# Altium PCB GSM_v2.PcbDoc (part 1 of 2) (continued)
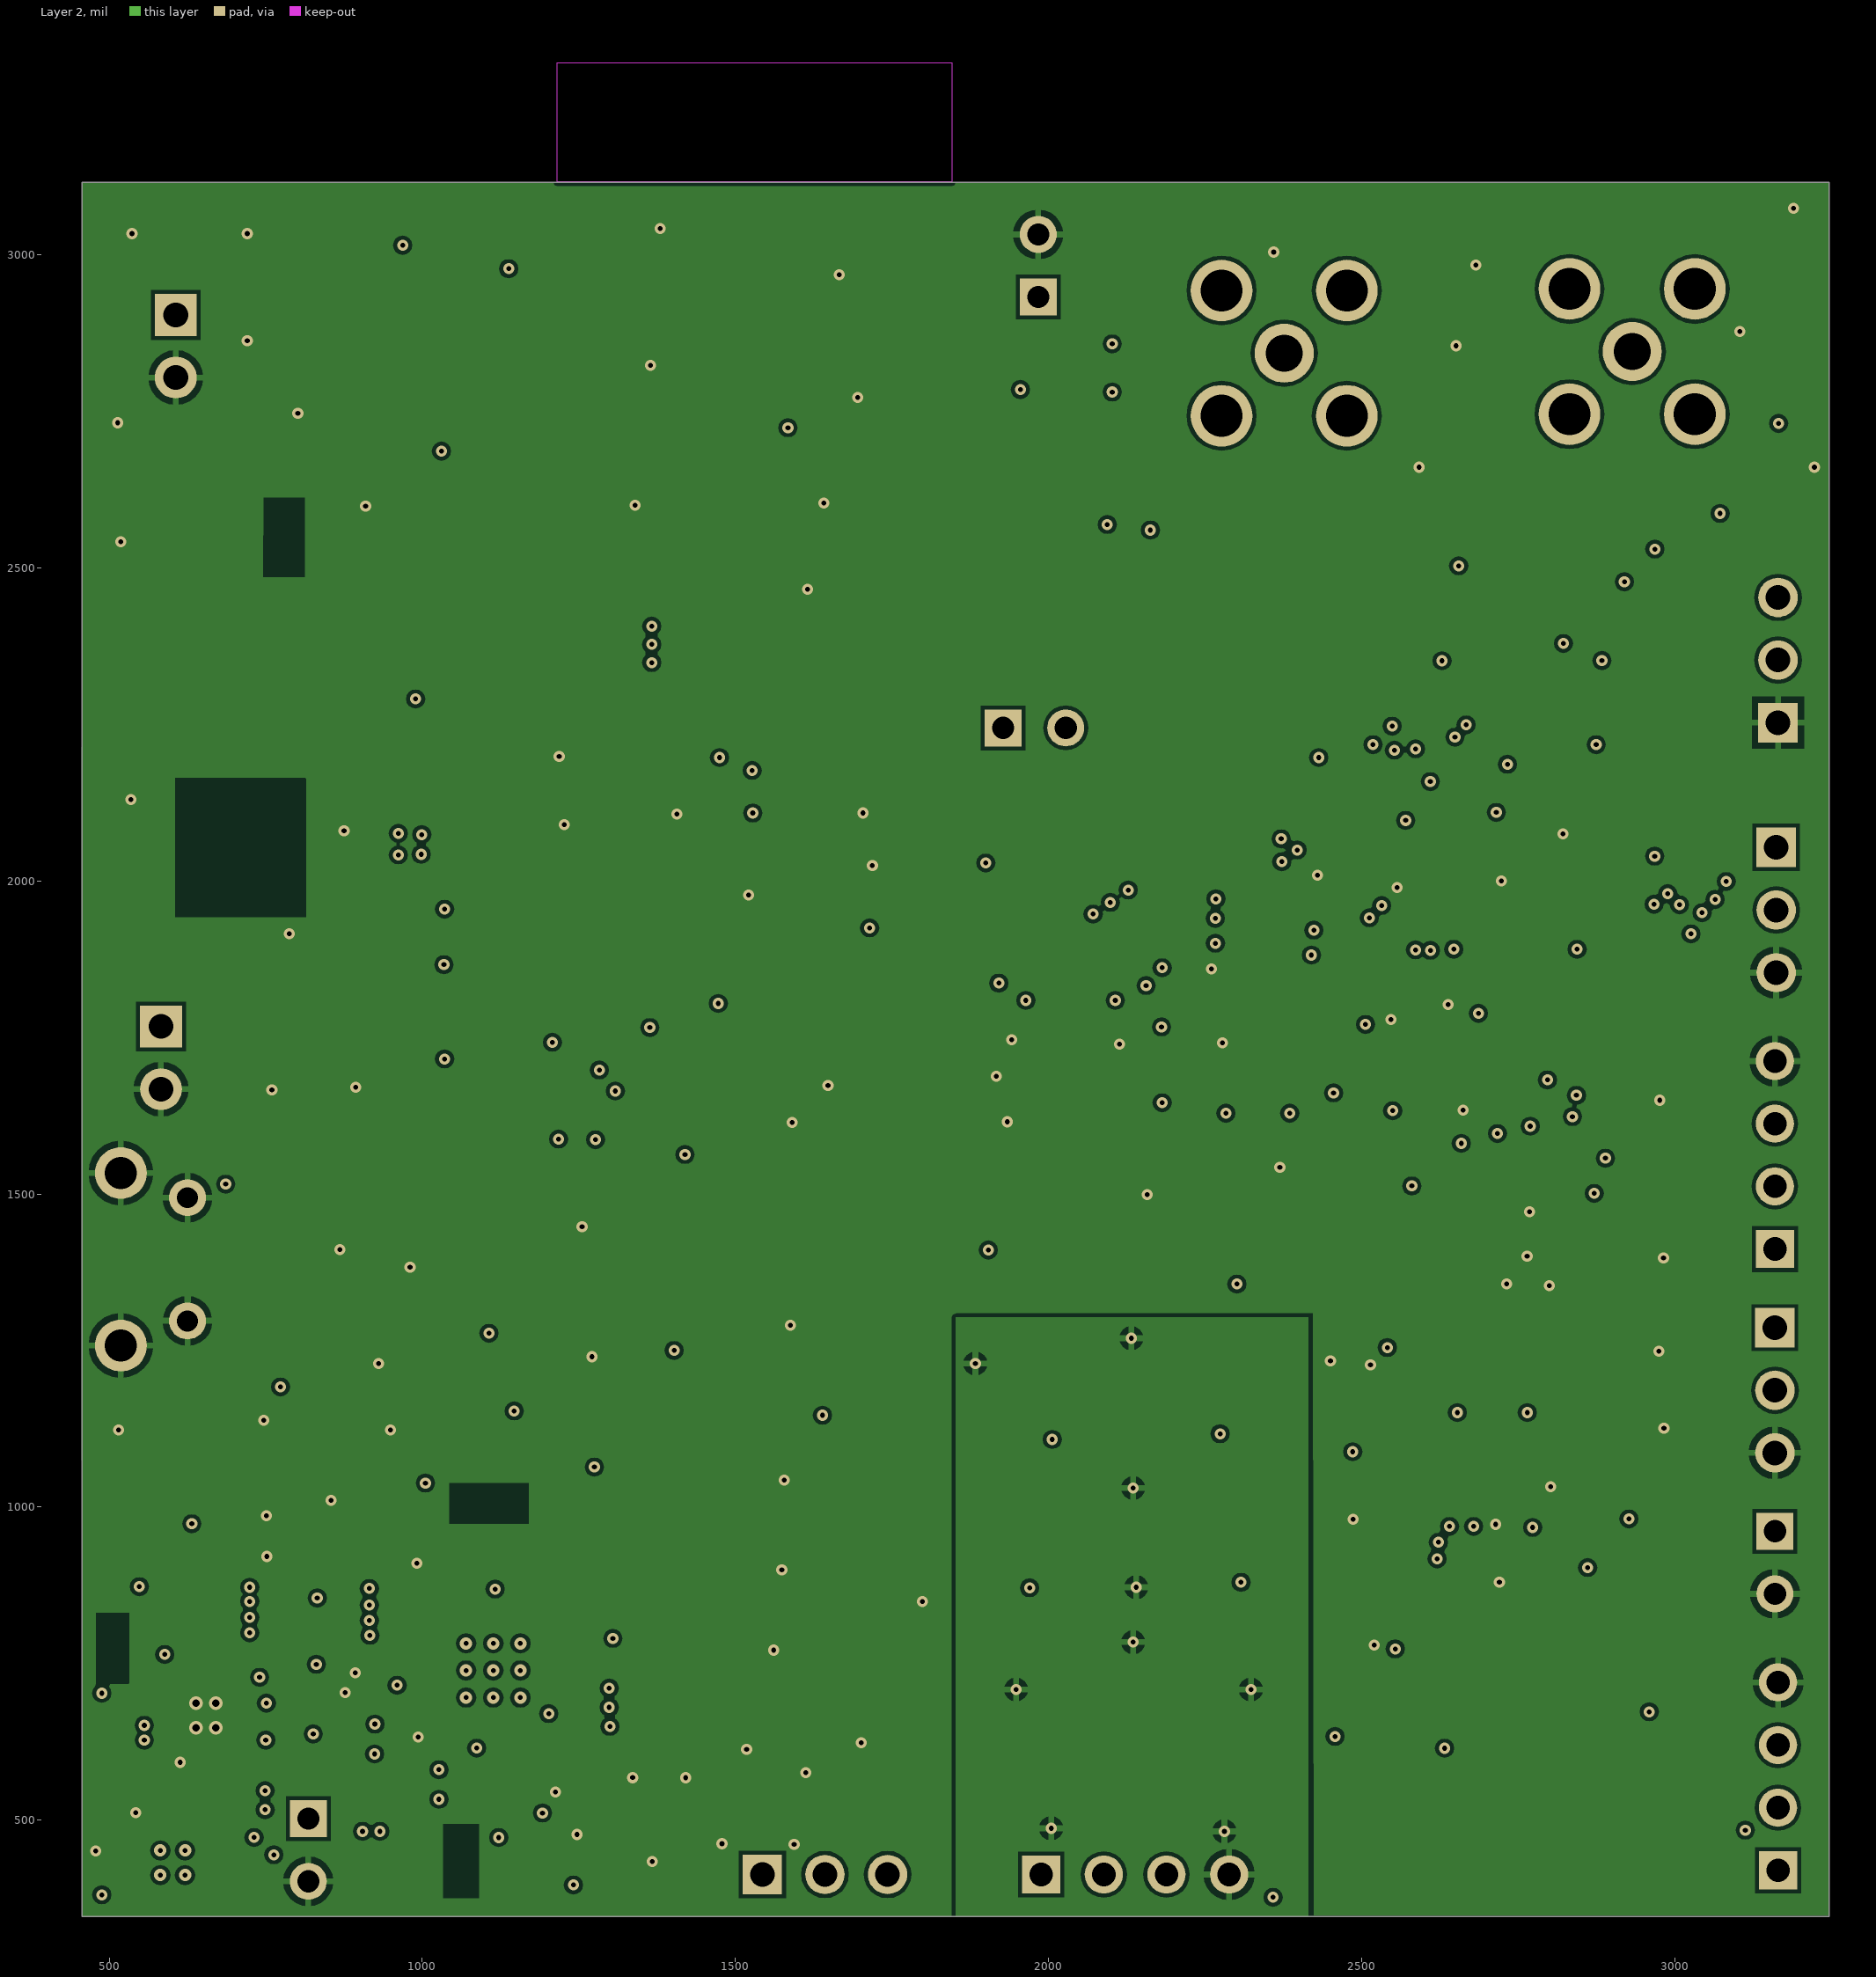
[diagram p3: Layer 2]
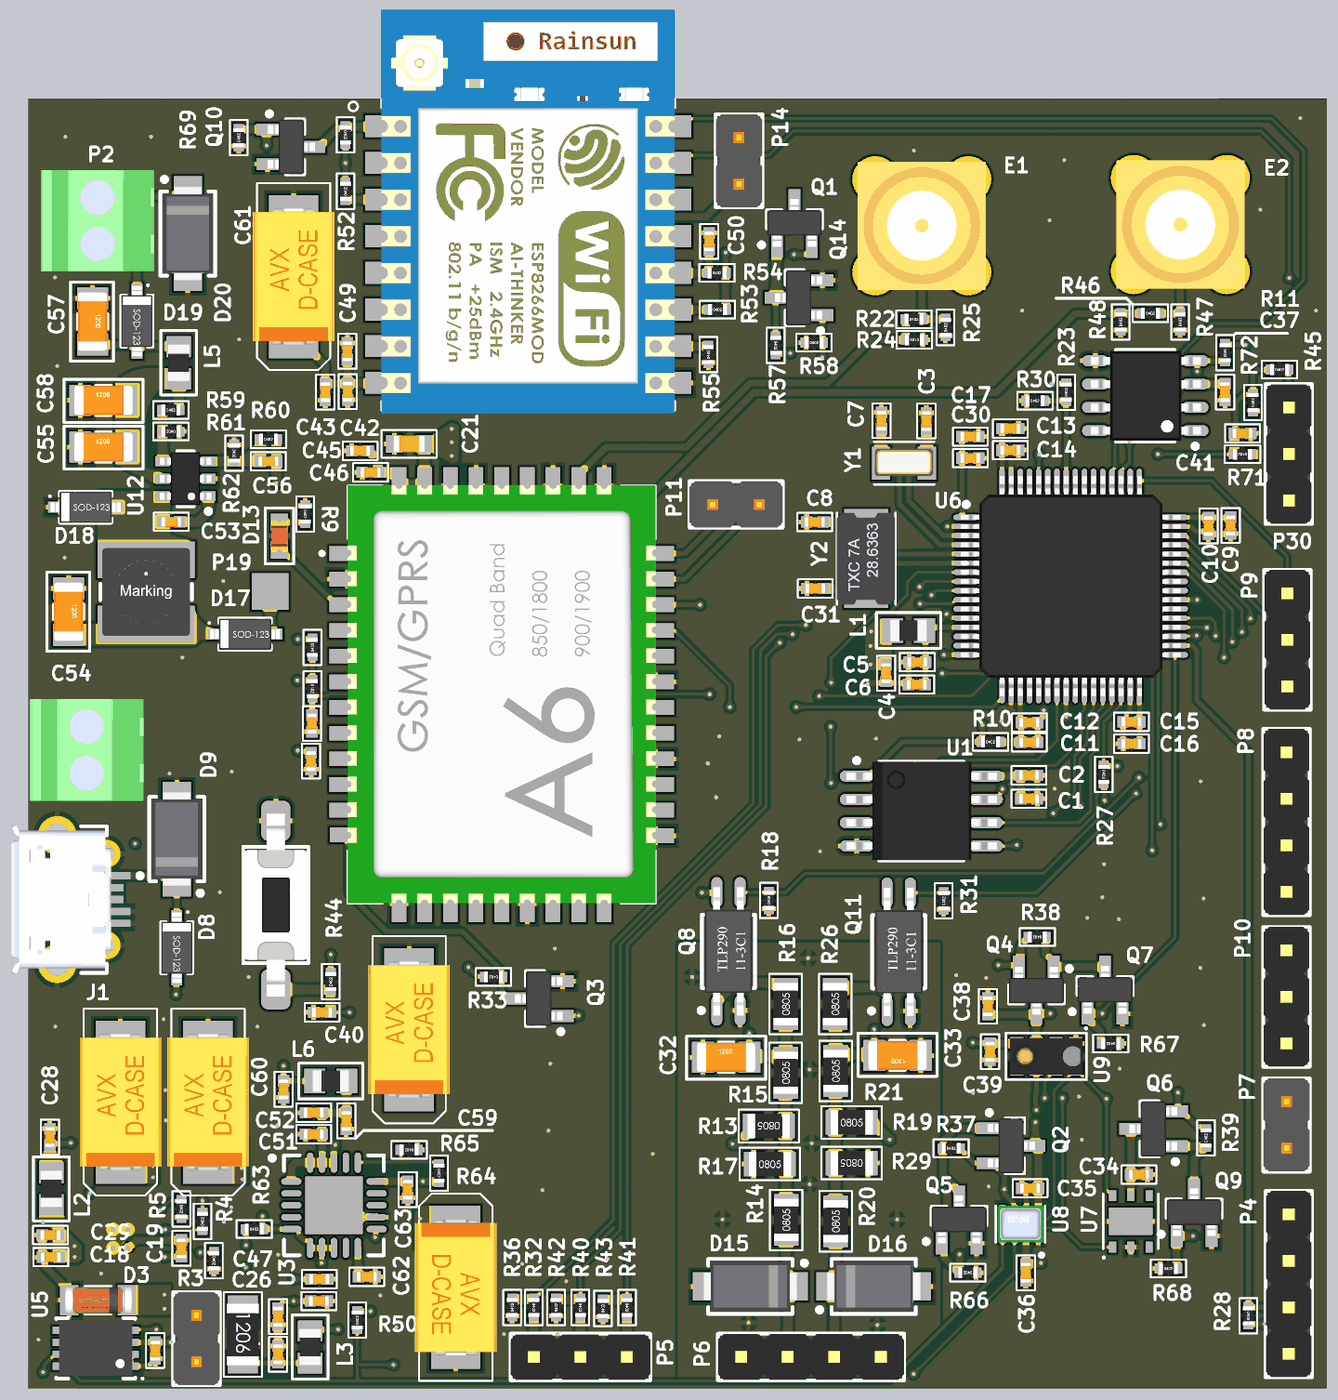
[diagram p5: 3D render of the assembled board from above, using the file's embedded part models]
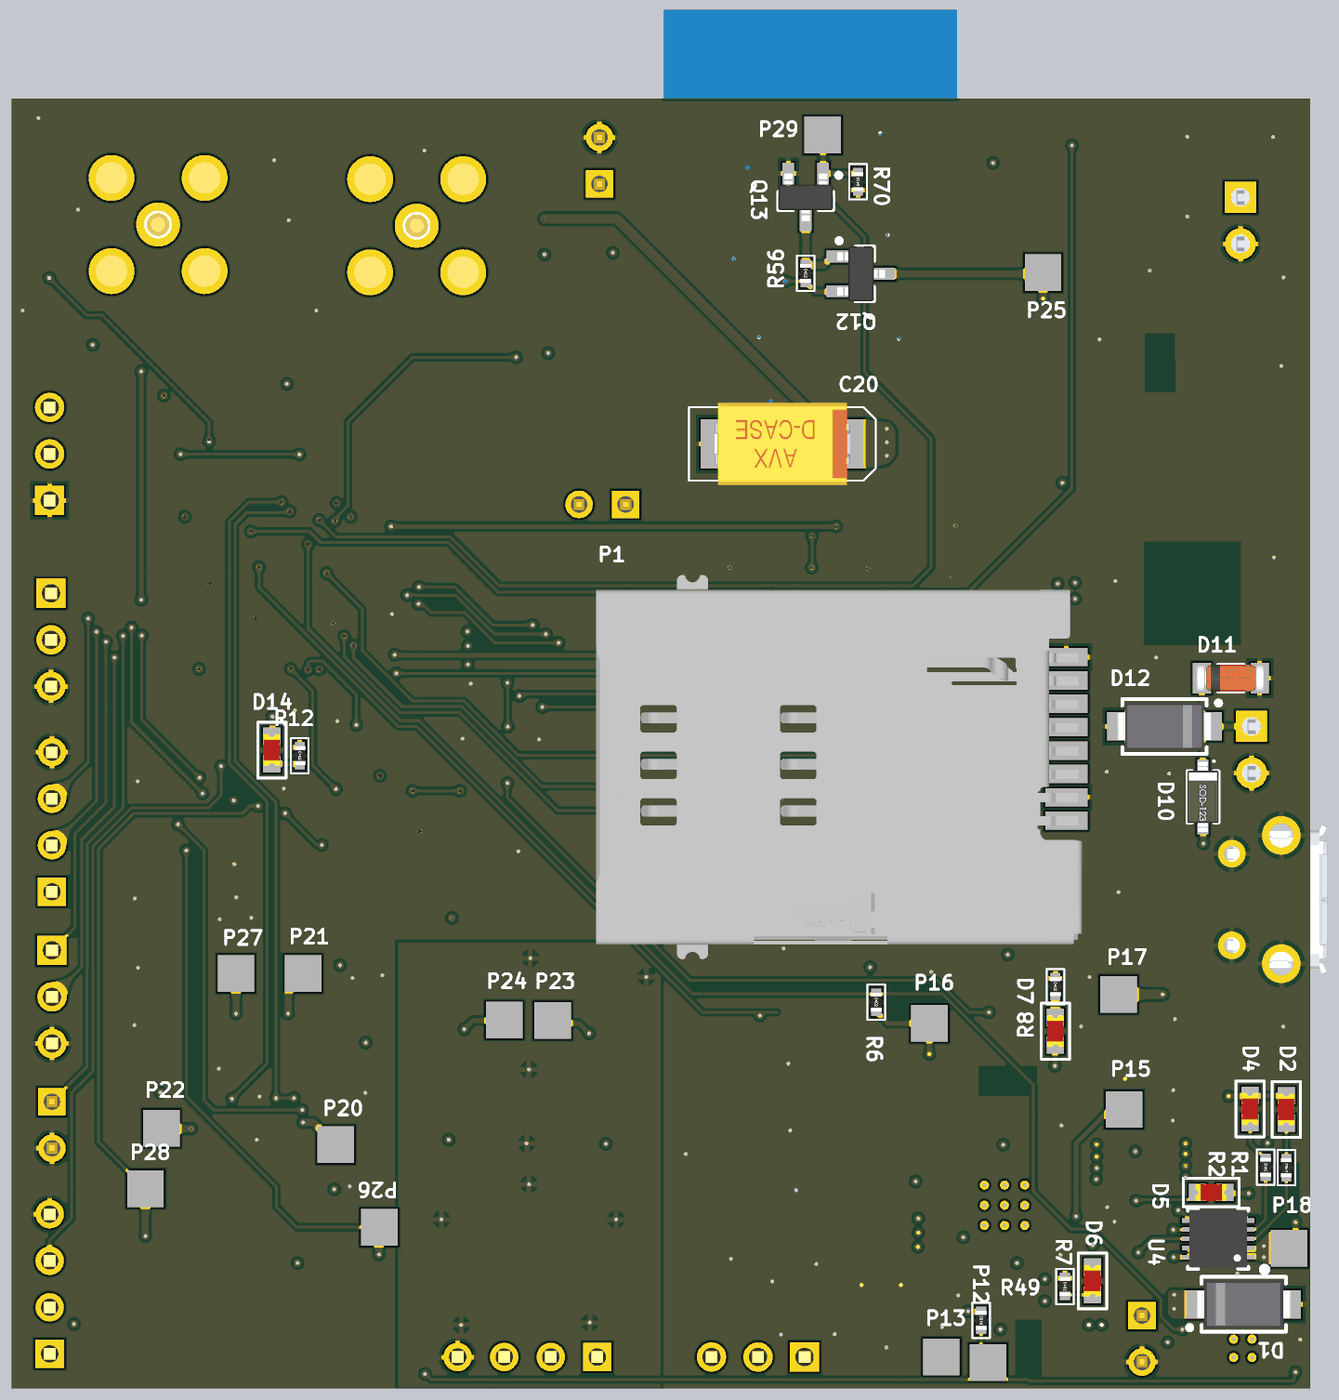
[diagram p6: 3D render of the assembled board from below, using the file's embedded part models]

## Layer stack, top to bottom
Top Solder: solder mask 0.4, Solder Resist, Dk 3.5
Top Layer: signal copper 1.3778
Dielectric 2: prepreg 7.874, PP-006, Dk 4.1
Layer 1: signal copper 0.6693
Dielectric 1: core 41.9291, Core-009, Dk 4.5
Layer 2: signal copper 0.6693
Dielectric 3: prepreg 7.874, PP-006, Dk 4.1
Bottom Layer: signal copper 1.3778
Bottom Solder: solder mask 0.4, Solder Resist, Dk 3.5

## Board outline
456.69,346.46 3246.06,346.46 3246.06,3115.16 456.69,3115.16

## Design rules (kind name [scope] priority, off if disabled: settings)
Clearance "Stitching GND" [IsStitchingVia and InNet('GND') vs (IsVia and (Not IsStitchingVia)) Or IsPad] p1: gap=10 ignorepadtopadclearanceinfootprint=FALSE
Clearance [All] p2: gap=6 ignorepadtopadclearanceinfootprint=TRUE except(5.98: Arc-Hole Track-Hole SMDPad-Hole THPad-Hole Via-Hole Fill-Hole Poly-Hole Region-Hole Text-Hole)
DiffPairsRouting [All] p1: maxlimit=25 minlimit=10 mostfreqgap=10 toplayer_minwidth=6 toplayer_maxwidth=25 toplayer_prefwidth=10 midlayer1_minwidth=6 midlayer1_maxwidth=25 midlayer1_prefwidth=10 midlayer2_minwidth=6 midlayer2_maxwidth=25 midlayer2_prefwidth=10 bottomlayer_minwidth=6 bottomlayer_maxwidth=25 bottomlayer_prefwidth=10 maxuncoupledlength=500
PlaneConnect PlaneConnect_2 [InNet('VCC')] p2: planeconnectstyle=Direct reliefexpansion=20 reliefentries=4 reliefconductorwidth=10 reliefairgap=10
PolygonConnect [InNet('VCC') vs InNet('VCC')] p1: connectstyle=Direct reliefconductorwidth=10 reliefentries=4 polygonreliefangle="90 Angle" airgapwidth=10
PolygonConnect PolygonConnect_2 [InNet('GND') vs InNet('GND')] p2: thpad.connectstyle=Relief thpad.reliefconductorwidth=10 thpad.reliefentries=4 thpad.polygonreliefangle="90 Angle" thpad.airgapwidth=10 smdpad.connectstyle=Relief smdpad.reliefconductorwidth=10 smdpad.reliefentries=4 smdpad.polygonreliefangle="90 Angle" smdpad.airgapwidth=10 via.connectstyle=Direct via.reliefconductorwidth=10 via.reliefentries=4 via.polygonreliefangle="90 Angle" via.airgapwidth=10
PolygonConnect PolygonConnect_1 [All] p3: connectstyle=Relief reliefconductorwidth=10 reliefentries=4 polygonreliefangle="90 Angle" airgapwidth=10
RoutingVias [All] p1: holewidth=7.87 width=17.72 viastyle="Through Hole" minholewidth=7.87 minwidth=17.72 maxholewidth=39.37 maxwidth=50
ShortCircuit ShortCircuit_1 [All] p1: allowed=FALSE
SilkToSilkClearance [All] p1: silktosilkclearance=6
SolderMaskExpansion [All] p1: expansion=4
Width Width_1 [InNet('NetR46_1')] p1: maxlimit=14.26 minlimit=10.43 preferedwidth=14.26 toplayer_minwidth=14.26 midlayer1_maxwidth=10.43 midlayer1_prefwidth=10.43 midlayer2_maxwidth=10.43 midlayer2_prefwidth=10.43 bottomlayer_minwidth=14.26 substack1={47759A5D-0C92-467B-B690-7833AADDB4E4} toplayer_{47759a5d-0c92-467b-b690-7833aaddb4e4}_minwidth=14.26 midlayer1_{47759a5d-0c92-467b-b690-7833aaddb4e4}_maxwidth=10.43 midlayer1_{47759a5d-0c92-467b-b690-7833aaddb4e4}_prefwidth=10.43 midlayer2_{47759a5d-0c92-467b-b690-7833aaddb4e4}_maxwidth=10.43 midlayer2_{47759a5d-0c92-467b-b690-7833aaddb4e4}_prefwidth=10.43 bottomlayer_{47759a5d-0c92-467b-b690-7833aaddb4e4}_minwidth=14.26 substack2={7051C380-BEE9-4C02-9A6C-D67020FA388B} toplayer_{7051c380-bee9-4c02-9a6c-d67020fa388b}_minwidth=14.26 midlayer1_{7051c380-bee9-4c02-9a6c-d67020fa388b}_maxwidth=10.43 midlayer1_{7051c380-bee9-4c02-9a6c-d67020fa388b}_prefwidth=10.43 midlayer2_{7051c380-bee9-4c02-9a6c-d67020fa388b}_maxwidth=10.43 midlayer2_{7051c380-bee9-4c02-9a6c-d67020fa388b}_prefwidth=10.43 bottomlayer_{7051c380-bee9-4c02-9a6c-d67020fa388b}_minwidth=14.26 impedanceprofiledriven=TRUE impedanceprofileid={8509A7D3-C0DB-48D2-A52B-57F0E2BC5C61} impedanceprofilevalue=50.000000 minimp=50.000000 maximp=50.000000 favimp=50.000000
Width Width_2 [InNet('NetR22_1')] p2: maxlimit=14.26 minlimit=10.43 preferedwidth=14.26 toplayer_minwidth=14.26 midlayer1_maxwidth=10.43 midlayer1_prefwidth=10.43 midlayer2_maxwidth=10.43 midlayer2_prefwidth=10.43 bottomlayer_minwidth=14.26 substack1={47759A5D-0C92-467B-B690-7833AADDB4E4} toplayer_{47759a5d-0c92-467b-b690-7833aaddb4e4}_minwidth=14.26 midlayer1_{47759a5d-0c92-467b-b690-7833aaddb4e4}_maxwidth=10.43 midlayer1_{47759a5d-0c92-467b-b690-7833aaddb4e4}_prefwidth=10.43 midlayer2_{47759a5d-0c92-467b-b690-7833aaddb4e4}_maxwidth=10.43 midlayer2_{47759a5d-0c92-467b-b690-7833aaddb4e4}_prefwidth=10.43 bottomlayer_{47759a5d-0c92-467b-b690-7833aaddb4e4}_minwidth=14.26 substack2={7051C380-BEE9-4C02-9A6C-D67020FA388B} toplayer_{7051c380-bee9-4c02-9a6c-d67020fa388b}_minwidth=14.26 midlayer1_{7051c380-bee9-4c02-9a6c-d67020fa388b}_maxwidth=10.43 midlayer1_{7051c380-bee9-4c02-9a6c-d67020fa388b}_prefwidth=10.43 midlayer2_{7051c380-bee9-4c02-9a6c-d67020fa388b}_maxwidth=10.43 midlayer2_{7051c380-bee9-4c02-9a6c-d67020fa388b}_prefwidth=10.43 bottomlayer_{7051c380-bee9-4c02-9a6c-d67020fa388b}_minwidth=14.26 impedanceprofiledriven=TRUE impedanceprofileid={8509A7D3-C0DB-48D2-A52B-57F0E2BC5C61} impedanceprofilevalue=50.000000 minimp=50.000000 maximp=50.000000 favimp=50.000000
Width [All] p3: maxlimit=20 minlimit=6 preferedwidth=6 substack1={47759A5D-0C92-467B-B690-7833AADDB4E4} toplayer_{47759a5d-0c92-467b-b690-7833aaddb4e4}_minwidth=14.26 toplayer_{47759a5d-0c92-467b-b690-7833aaddb4e4}_maxwidth=14.26 toplayer_{47759a5d-0c92-467b-b690-7833aaddb4e4}_prefwidth=14.26 midlayer1_{47759a5d-0c92-467b-b690-7833aaddb4e4}_minwidth=10.43 midlayer1_{47759a5d-0c92-467b-b690-7833aaddb4e4}_maxwidth=10.43 midlayer1_{47759a5d-0c92-467b-b690-7833aaddb4e4}_prefwidth=10.43 midlayer2_{47759a5d-0c92-467b-b690-7833aaddb4e4}_minwidth=10.43 midlayer2_{47759a5d-0c92-467b-b690-7833aaddb4e4}_maxwidth=10.43 midlayer2_{47759a5d-0c92-467b-b690-7833aaddb4e4}_prefwidth=10.43 bottomlayer_{47759a5d-0c92-467b-b690-7833aaddb4e4}_minwidth=14.26 bottomlayer_{47759a5d-0c92-467b-b690-7833aaddb4e4}_maxwidth=14.26 bottomlayer_{47759a5d-0c92-467b-b690-7833aaddb4e4}_prefwidth=14.26 substack2={7051C380-BEE9-4C02-9A6C-D67020FA388B} toplayer_{7051c380-bee9-4c02-9a6c-d67020fa388b}_minwidth=14.26 toplayer_{7051c380-bee9-4c02-9a6c-d67020fa388b}_maxwidth=14.26 toplayer_{7051c380-bee9-4c02-9a6c-d67020fa388b}_prefwidth=14.26 midlayer1_{7051c380-bee9-4c02-9a6c-d67020fa388b}_minwidth=10.43 midlayer1_{7051c380-bee9-4c02-9a6c-d67020fa388b}_maxwidth=10.43 midlayer1_{7051c380-bee9-4c02-9a6c-d67020fa388b}_prefwidth=10.43 midlayer2_{7051c380-bee9-4c02-9a6c-d67020fa388b}_minwidth=10.43 midlayer2_{7051c380-bee9-4c02-9a6c-d67020fa388b}_maxwidth=10.43 midlayer2_{7051c380-bee9-4c02-9a6c-d67020fa388b}_prefwidth=10.43 bottomlayer_{7051c380-bee9-4c02-9a6c-d67020fa388b}_minwidth=14.26 bottomlayer_{7051c380-bee9-4c02-9a6c-d67020fa388b}_maxwidth=14.26 bottomlayer_{7051c380-bee9-4c02-9a6c-d67020fa388b}_prefwidth=14.26 minimp=50.000000 maximp=50.000000 favimp=50.000000
27 further rules are at their usual default settings.

## Classes and differential pairs
component class wifi: C42 C43 C49 C50 C61 P14 P25 P29 Q10 Q12 Q13 R51 R52 R53 R54 R55 R56 R69 R70 U11
component class GSM: C20 C21 C44 C45 C46 C48 D13 E1 E2 P1 P11 Q1 Q3 Q14 R9 R22 R23 R24 R25 R30 R33 R34 R35 R46 R47 R48 R57 R58 U2
component class sensors: C1 C2 C34 C35 C36 C37 C38 C39 P20 P21 P22 P26 P27 P28 Q2 Q4 Q5 Q6 Q7 Q9 R10 R11 R37 R38 R39 R66 R67 R68 U1 U7 U8 U9 U10
component class mcu: C3 C4 C5 C6 C7 C8 C9 C10 C11 C12 C13 C14 C15 C16 C17 C30 C31 C32 C33 C40 C41 D14 D15 D16 L1 P4 P5 P6 P7 P8 P9 P10 P23 P24 P30 Q8 Q11 R12 R13 R14 R15 R16 R17 R18 R19 R20 R21 R26 R27 R28 R29 R31 R32 R36 R40 R41 R42 R43 R44 R45 R71 R72 S1 U6 Y1 Y2
component class power: BAT1 C18 C19 C22 C23 C24 C25 C26 C27 C28 C29 C47 C51 C52 C53 C54 C55 C56 C57 C58 C59 C60 C62 C63 C64 C65 D1 D2 D3 D4 D5 D6 D7 D8 D9 D10 D11 D12 D17 D18 D19 D20 F1 J1 L2 L3 L4 L5 L6 P2 P3 P12 P13 P15 P16 P17 P18 P19 R1 R2 R3 R4 R5 R6 R7 R8 R49 R50 R59 R60 R61 R62 R63 R64 R65 U3 U4 U5 U12
differential pair Y2: +Y2_P -Y2_N
differential pair Y1: +Y1_P -Y1_N

## Components (designator, comment, footprint, x,y, rotation, side; value= is the part's Value field where it differs from the comment)
BAT1 "Header 2" HDR1X2 817.91,502.56 r270 top
C1 "Cap 100nF" C0402 2606.3,1612.2 r180 top value=100nF
C2 "Cap 1uF" C0402 2606.3,1662.4 r180 top value=1uF
C3 "Cap 4.3pF" C0402 2385.78,2422.96 r90 top value=4.3pF
C4 "Cap 10uF" C0402 2299.21,1881.89 r90 top value=10uF
C5 "Cap 1uF" C0402 2366.3,1905.51 r0 top value=1uF
C6 "Cap 100nF" C0402 2365.16,1857.28 r180 top value=100nF
C7 "Cap 4.3pF" C0402 2289.32,2423.95 r90 top value=4.3pF
C8 "Cap 10pF" C0402 2146.18,2206.34 r180 top value=10pF
C9 "Cap 1uF" C0402 3039.37,2198.82 r90 top value=1uF
C10 "Cap 100nF" C0402 2992.13,2197.83 r270 top value=100nF
C11 "Cap 1uF" C0402 2607.28,1733.27 r180 top value=1uF
C12 "Cap 100nF" C0402 2607.28,1775.59 r0 top value=100nF
C13 "Cap 1uF" C0402 2566.22,2406.85 r180 top value=1uF
C14 "Cap 100nF" C0402 2566.18,2360.59 r0 top value=100nF
C15 "Cap 1uF" C0402 2826.5,1777.36 r0 top value=1uF
C16 "Cap 100nF" C0402 2826.5,1730.12 r180 top value=100nF
C17 "Cap 1uF" C0402 2480.32,2389.76 r180 top value=1uF
C18 "Cap 1uF" C0402 504.92,627.95 r0 top value=1uF
C19 "Cap 1uF" C0402 785.43,646.65 r270 top value=1uF
C20 "Tantalum 220uF" CAP-D 1590.55,2374.02 r180 bottom value=220uF
C21 "Cap 10uF" C0603 1274.61,2374.02 r0 top value=10uF
C22 "Cap 4.7uF" C0402 993.11,419.29 r270 top value=4.7uF
C23 "Cap 4.7uF" C0402 993.11,500 r90 top value=4.7uF
C24 "Tantalum 220uF" CAP-D 1375,562.99 r90 top value=220uF
C25 "Tantalum 220uF" CAP-D 1274.61,1116.14 r270 top value=220uF
C26 "Cap 1uF" C0402 1080.71,533.46 r180 top value=1uF
C27 "Cap 1uF" C0402 729.33,427.17 r90 top value=1uF
C28 "Cap 4.7uF" C0402 502.95,885.83 r270 top value=4.7uF
C29 "Cap 4.7uF" C0402 503.94,675.2 r0 top value=4.7uF
C30 "Cap 100nF" C0402 2480.32,2343.5 r0 top value=100nF
C31 "Cap 10pF" C0402 2147.17,2063.62 r180 top value=10pF
C32 "Cap 100nF/50V" C1206 1955.71,1057.09 r0 top value=100nF/50V
C33 "Cap 100nF/50V" C1206 2323.82,1061.02 r180 top value=100nF/50V
C34 "Cap 100nF" C0402 2842.8,805.01 r180 top value=100nF
C35 "Cap 100nF" C0402 2608.64,775.59 r0 top value=100nF
C36 "Cap 100nF" C0402 2599.41,594.49 r90 top value=100nF
C37 "Cap 100nF" C0402 3027.56,2485.24 r90 top value=100nF
C38 "Cap 100nF" C0402 2518.03,1166.4 r270 top value=100nF
C39 "Cap 2.2uF" C0402 2522.64,1068.9 r90 top value=2.2uF
C40 "Cap 100nF" C0402 1087.6,1153.54 r0 top value=100nF
C41 "Cap 100nF" C0402 3064.96,2396.73 r180 top value=100nF
C42 "Cap 10uF" C0402 1142.78,2486.17 r90 top value=10uF
C43 "Cap 1uF" C0402 1094.55,2485.19 r90 top value=1uF
C44 "Cap 100nF" C0402 1063.98,1692.91 r90 top value=100nF
C45 "Cap 100nF" C0402 1169.29,2359.25 r0 top value=100nF
C46 "Cap 1uF" C0402 1191.93,2312.99 r0 top value=1uF
C47 "Cap 1uF" C0402 1081.69,580.71 r180 top value=1uF
C48 "Cap 100nF" C0402 1065.94,1773.62 r90 top value=100nF
C49 "Cap 100nF" C0402 1141.79,2572.79 r270 top value=100nF
C50 "Cap 100nF" C0402 1919.35,2809.06 r270 top value=100nF
C51 "Cap 1uF" C0402 1069.88,891.73 r0 top value=1uF
C52 "Cap 1uF" C0402 1069.88,937.99 r0 top value=1uF
C53 "Cap 100nF" C0402 763.78,2206.69 r180 top value=100nF
C54 "Cap 10uF/50V" C1206 543.31,2013.78 r270 top value=10uF/50V
C55 "Cap 4.7uF/50V" C1206 618.11,2367.13 r0 top value=4.7uF/50V
C56 "Cap 33pF" C0402 972.44,2336.61 r0 top value=33pF
C57 "Cap 4.7uF/50V" C1206 594.49,2636.81 r270 top value=4.7uF/50V
C58 "Cap 4.7uF/50V" C1206 618.11,2467.52 r0 top value=4.7uF/50V
C59 "Cap 4.7uF" C0402 1139.76,920.28 r90 top value=4.7uF
C60 "Cap 4.7uF" C0402 1004.92,988.19 r90 top value=4.7uF
C61 "Tantalum 220uF" CAP-D 1026.57,2733.27 r270 top value=220uF
C62 "Cap 1uF" C0402 1184.06,585.63 r180 top value=1uF
C63 "Cap 470pF" C0402 1271.65,772.64 r90 top value=470pF
C64 "Tantalum 220uF" CAP-D 654.53,960.63 r270 top value=220uF
C65 "Tantalum 220uF" CAP-D 842.52,960.63 r270 top value=220uF
D1 "TVS Bidirectional" SMA 599.41,526.57 r0 bottom
D2 "LED" 0603LedRed 507.87,944.88 r270 bottom
D3 "Zener Diode" miniMELF 606.3,535.43 r0 top
D4 "LED" 0603LedRed 585.63,945.87 r270 bottom
D5 "LED" 0603LedRed 669.29,766.73 r0 bottom
D6 "LED" 0603LedRed 924.21,576.77 r270 bottom
D7 "LED" 0603LedRed 1003.94,1112.99 r90 bottom
D8 "STPS1L30U" SOD-123A 775.59,1292.32 r270 top
D9 "TVS Bidirectional" SMA 775.59,1525.59 r270 top
D10 "STPS1L30U" SOD-123A 687.01,1616.14 r270 bottom
D11 "Zener Diode" miniMELF 626.97,1871.06 r0 bottom
D12 "TVS Bidirectional" SMA 769.68,1767.32 r180 bottom
D13 "LED" 0603LedRed 996.06,2176.18 r90 top
D14 "LED" 0603LedRed 2687.01,1716.54 r270 bottom
D15 "TVS Bidirectional" SMA 2007.6,564.96 r0 top
D16 "TVS Bidirectional" SMA 2272.64,564.96 r180 top
D17 "D Schottky" SOD-123A 922.24,1965.55 r0 top
D18 "STPS1L30U" SOD-123A 579.72,2238.19 r0 top
D19 "STPS1L30U" SOD-123A 689.96,2637.8 r270 top
D20 "TVS Bidirectional" SMA 799.21,2825.79 r90 top
E1 "Antenna" "SMA connector" 2375.98,2842.52 r0 top
E2 "Antenna" "SMA connector" 2931.5,2845.08 r0 top
F1 "2A" R1206 917.32,461.61 r270 top
J1 "MicroUSB" MicroUSB 530.51,1395.67 r270 top
L1 "120R" 0805FerriteBead 2347.44,1973.43 r0 top value=10mH
L2 "120R" 0805FerriteBead 505.91,774.61 r270 top value=10mH
L3 "120R" 0805FerriteBead 1062.01,435.04 r90 top value=10mH
L4 "Inductor 18uH" WE-TPC_4828 709.65,2056.1 r0 top value=18uH
L5 "120R" 0805FerriteBead 779.53,2548.23 r270 top value=10mH
L6 "120R" 0805FerriteBead 1106.3,1005.91 r180 top value=10mH
P1 "SIM" "SIM TRAY" 931.1,1541.34 r0 bottom
P2 "Header 2" HDR1x2_screw 606.3,2903.54 r270 top
P3 "Header 2" HDR1x2_screw 582.68,1767.32 r270 top
P4 "Header 4" HDR1X4 3164.37,420.08 r90 top
P5 "Header 3" HDR1X3 1542.72,413.39 r0 top
P6 "Header 4" HDR1X4 1987.99,413.39 r0 top
P7 "Header 2" HDR1X2 3159.45,961.54 r270 top
P8 "Header 4" HDR1X4 3159.45,1412.2 r90 top
P9 "Header 3" HDR1X3 3161.42,2053.35 r270 top
P10 "Header 3" HDR1X3 3159.45,1286.61 r270 top
P11 "Header 2" HDR1X2 1927.17,2244.09 r0 top
P12 "Plug" "pin smd" 1148.62,401.57 r180 bottom
P13 "Plug" "pin smd" 1249.02,413.39 r180 bottom
P14 "Header 2" HDR1X2 1983.27,2932.09 r90 top
P15 "Plug" "pin smd" 856.3,944.88 r180 bottom
P16 "Plug" "pin smd" 1274.61,1129.92 r180 bottom
P17 "Plug" "pin smd" 868.11,1191.93 r180 bottom
P18 "Plug" "pin smd" 501.97,646.65 r180 bottom
P19 "Plug" "pin smd" 976.38,2057.09 r270 top
P20 "Plug" "pin smd" 2549.58,869.09 r180 bottom
P21 "Plug" "pin smd" 2620.08,1237.2 r0 bottom
P22 "Plug" "pin smd" 2924.21,904.53 r90 bottom
P23 "Plug" "pin smd" 2083.66,1136.26 r270 bottom
P24 "Plug" "pin smd" 2187.99,1136.81 r270 bottom
P25 "Plug" "pin smd" 1030.51,2742.13 r270 bottom